# KiCad board SBC.kicad_pcb (continued)
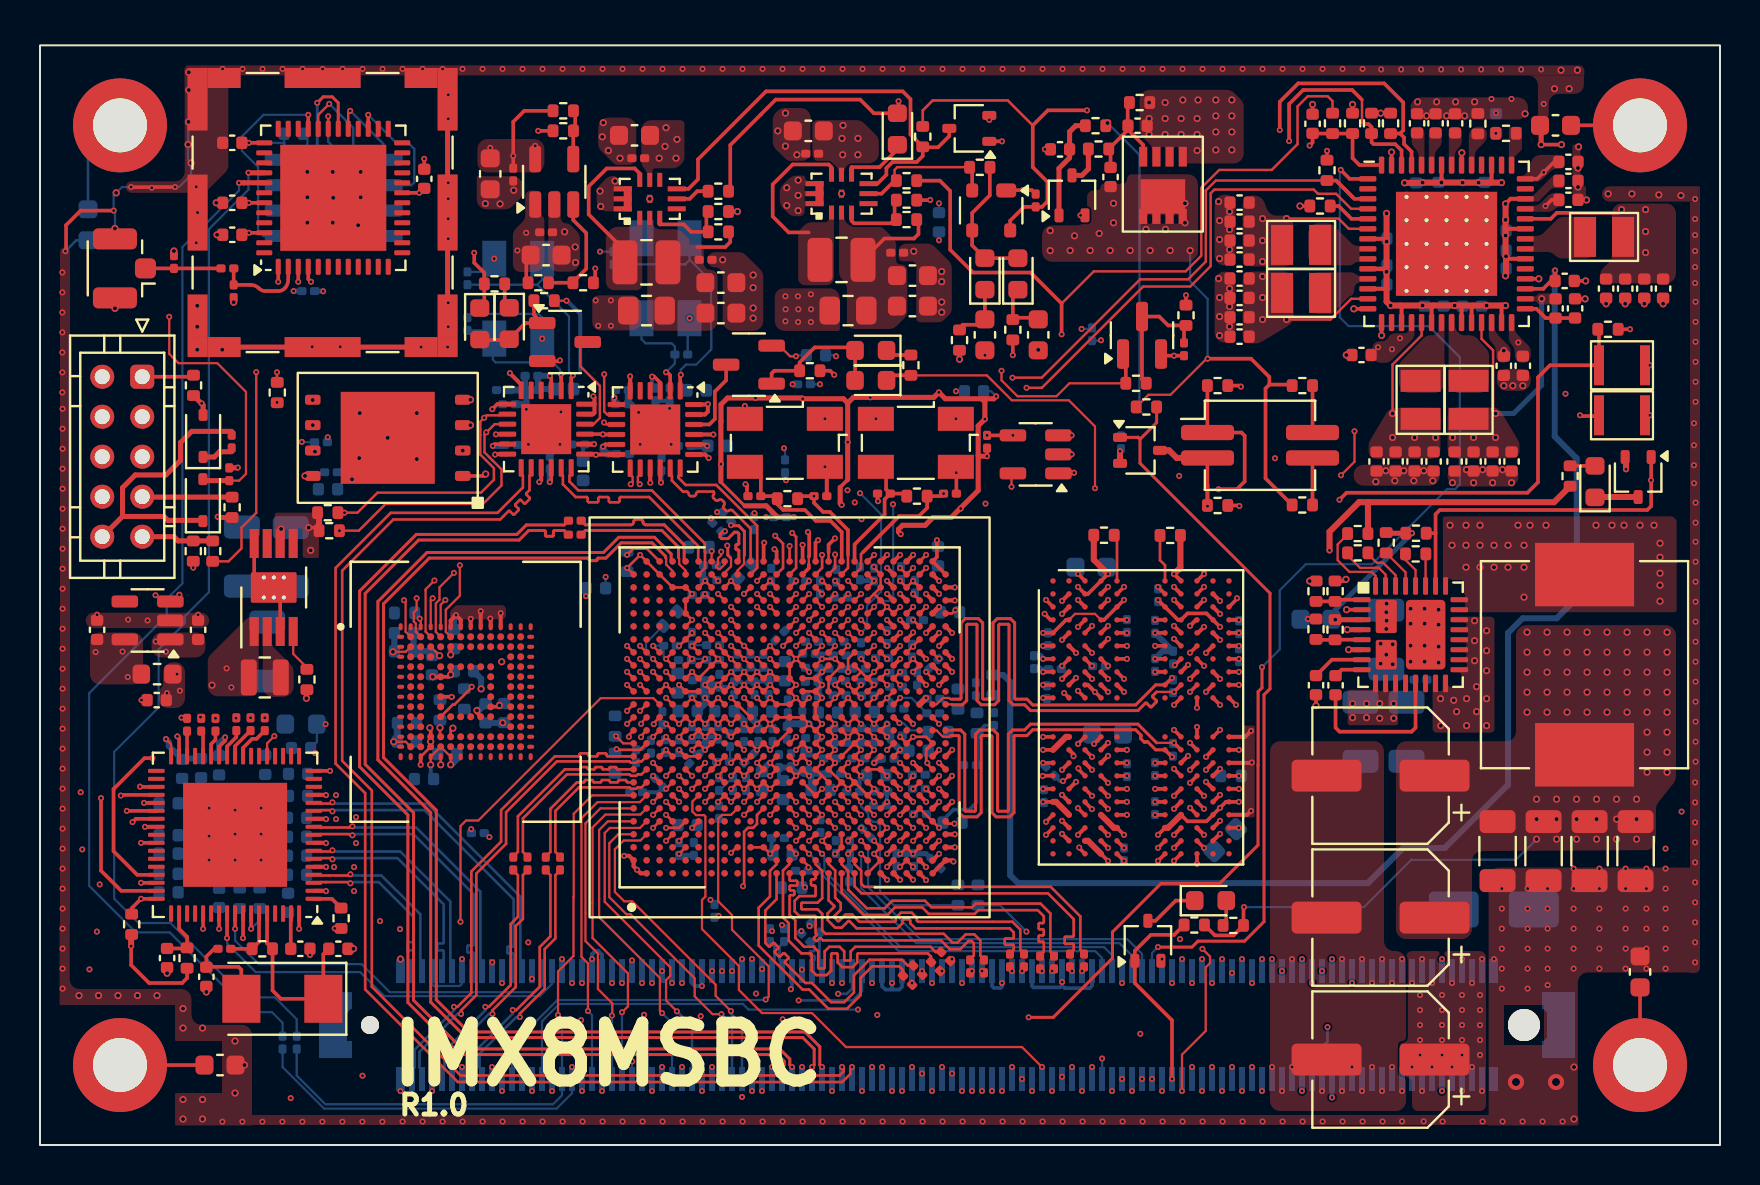
[diagram p0: board, top side]
## Routing (per net, layer and track width the routed paths; a pad name or vN(x,y) marks a point on that pad's centre or on a via; arc(x,y) is an arc through that point) (continued)
Net-(U7-FB): length 3.7
  T w0.18: U7.3 40.58,46.23 40.7,46.1 42.54,46.1 42.73,46.28 42.73,47.26
Net-(U7-OUT): length 4
  T w0.18: L9.2 42.22,45.34 43.7,45.34 43.92,45.56 43.92,46.28
Net-(U9A-MIPI_VDD1): length 1.4
  T w0.13: U9.F15 U9.E15 v1(31.95,23.01)
  B w0.11: v1(31.95,23.01) 31.95,22.69
Net-(U9B-ZQ_): length 1.9
  T w0.18: 42.69,21.39 v1(42.98,21.1)
  B w0.11: v1(42.98,21.1) 43.17,21.1 43.53,20.74 44.28,20.74
Net-(U9H-JTAG_MOD): length 17.1
  T w0.13: U9.U7 v1(40.4,17.16)
  IN2 w0.11: v1(40.4,17.16) 40.7,16.87 41.9,16.87 42,16.77 42,13.19 43.02,12.17 46.71,12.17 48.21,10.67 v1(49.32,10.67)
  B w0.11: R63.1 48,11.99 v1(49.32,10.67)
Net-(U9H-TEST_MODE): length 9.6
  T w0.13: U9.V7 v1(41.05,17.16)
  B w0.11: R62.1 42.7,11.99 42,12.69 42,15.99 41.83,16.16 41.64,16.16 41.41,16.39 41.41,16.58 41.05,16.93 v1(41.05,17.16)
Net-(U9J-HDMI_REXT): length 0.8
  T w0.13: v1(38.25,12.89) 38.24,12.89 38.13,13 U9.P1
Net-(U9K-PCIE1_RESREF): length 0.5
  T w0.11: v1(33.58,29.7) 33.58,29.59 33.58,29.59 U9.G25
Net-(U9K-PCIE2_RESREF): length 2
  T w0.13: U9.C25 30.34,29.83 29.66,29.83 v1(29.35,29.51)
Net-(U9L-MIPI_DSI_REXT): length 2.6
  T w0.13: U9.C17 v1(30.65,24.31)
  B w0.11: v1(30.65,24.31) 30.3,24.67 30.3,25.11 R40.1
Net-(U9M-USB1_RESREF): length 1
  T w0.11: U9.A11 29.16,20.09 v1(28.8,20.45)
Net-(U9M-USB2_RESREF): length 1.6
  T w0.13: U9.B11 30,19.76 28.87,19.76
  T w0.18: v1(28.83,19.8) 28.87,19.76
Net-(U11-VDD): length 6.6
  T w0.18: R61.2 55.1,38.31 U11.3 55.96,41.44 56.41,40.99 R60.2 ; C212.1 57.2,40.89
Net-(U12A-ODT_CA_A): length 0.5
  T w0.18: v1(51.1,23.96) U12.G2
Net-(U12A-ODT_CA_B): length 1
  T w0.11: U12.T2 51.2,18.21 51.2,18.2
  B w0.18: 51.2,18.2 51,18.2 R67.1
  vias: v1(51.15,18.2)
Net-(U12A-ZQ0): length 2.1
  T w0.13: U12.A5 53.85,30.36
Net-(U12A-ZQ1): length 2.4
  T w0.13: R69.1 56,29.25 56.25,29 U12.A8
Net-(U13-VDDI): length 1.9
  T w0.11: U13.C2 18.28,24.67 v2(17.65,24.67)
  B w0.3: C277.1 C279.1
Net-(U15-VDD1.8_1): length 8.6
  T w0.18: U15.20 33.29,35.04 v1(33.36,34.97)
  T w0.2: U15.11 28.27,35.04 v1(28.15,34.93)
  IN2 w0.35: v1(28.15,34.93) 28.91,34.93 29.21,34.63 33.02,34.63 v1(33.36,34.97)
  B w0.35: v1(28.15,34.93) 28.15,34.77 28.37,34.56 C294.1 ; v1(33.36,34.97) C295.1
Net-(U15-VDDA1.8): length 8.4
  T w0.18: U15.3 31.01,38.13 30.71,38.43 v1(30.6,38.43) ; v1(31.05,33.13) 31.01,33.17 U15.16
  IN4 w0.3: v1(30.6,38.43) 30.6,36.96 30.72,36.85
  IN4 w0.35: 30.72,36.85 31.05,36.52 v1(31.05,33.13)
  B w0.2: v1(30.6,38.43) 30.6,38.03 C297.1 ; C300.1 31.07,33.16 v1(31.05,33.13)
Net-(U16-VDD1.8_1): length 8.4
  T w0.18: v1(22.64,34.97) 22.73,35.06 U16.11 ; v1(27.7,35.06) U16.20
  IN2 w0.35: v1(27.7,35.06) 27.29,35.48 24.03,35.48 23.53,34.97 v1(22.64,34.97)
  B w0.2: v1(27.7,35.06) 27.68,35.04 C303.1 ; FB5.2 27.15,34.96
  B w0.3: v1(22.64,34.97) 23.19,34.97
Net-(U16-VDDA1.8): length 9.5
  T w0.18: v1(25.49,33.16) 25.56,33.23 U16.16 ; U16.3 25.56,38.4 v1(25.49,38.47)
  IN4 w0.3: v1(25.49,33.16) 25.49,38.47 v1(25.49,38.47)
  B w0.3: v1(25.49,38.47) C308.1 C309.1 ; v1(25.49,33.16) C306.1 ; FB6.2 24.94,37.81
Net-(U17-REF_FILT): length 1.8
  T w0.18: C310.2 12.54,11.56 U17.67
Net-(U17-REF_REXT): length 1.6
  T w0.18: U17.1 14.59,12.31 R96.1
Net-(U17-REFCLK_SEL_0): length 2
  T w0.18: U17.62 v1(10.55,10.81)
  B w0.11: R97.1 10.98,11.24 v1(10.55,10.81)
Net-(U17-REFCLK_SEL_1): length 2.5
  T w0.18: v1(10.15,10.35) 10.15,10.35 U17.61
  B w0.11: v1(10.15,10.35) 10.15,10.35 10.15,11.66
Net-(U17-RX_CLK): length 1.2
  T w0.18: U17.32 7.35,20.7
Net-(U17-RX_DV/RX_CTL): length 1.2
  T w0.18: U17.30 8.15,20.61
Net-(U17-RXD0): length 1.3
  T w0.18: R103.2 8.77,20.27 8.55,20.05 U17.29
Net-(U17-RXD1): length 1.5
  T w0.18: R104.2 9.82,20.4 9.35,19.94 U17.27
Net-(U17-RXD2): length 1.6
  T w0.18: R105.2 9.75,19.96 U17.26
Net-(U17-RXD3): length 1.9
  T w0.18: U17.25 10.15,19.86 10.61,20.32 10.83,20.32 R106.2

## Copper pours and planes (outline as drawn; the poured copper is in the pictures)
3.3V_SW on T: 73.9,47.19 74.92,47.19 75.59,47.86 76.22,47.86 76.22,48.53 75.7,48.53 74.63,47.47 73.9,47.47
3.3V_SW on T: 81.8,18.25 80.8,17 80.8,14.75 71.6,14.7 71.6,10.3 67.8,10.3 67.8,20.2 73.55,20.2 73.8,20.5 73.8,26 81.8,26
3.3V_SW on T: 60.19,52.14 60.19,49.1 56.94,49.1 56.94,49.93 56.68,49.93 56.68,49.1 56.28,49.1 56.28,49.93 56.02,49.93 56.02,49.1 55.62,49.1 55.62,49.93 54.98,50.57 54.98,52.78 59.55,52.78
3.3V_SW on B: 73.33,47.84 68.03,47.84 68.03,48.59 73.33,48.59
3.3V_SW on B: 73.68,43.34 72.98,43.34 72.98,47.42 73.68,47.42
3.3V_SW on B: 67.68,42.29 73.53,42.29 73.53,41.44 66.83,41.44 66.83,46.79 67.68,46.79
3.3V_SW on IN2: 74,26.5 74,14.5 81.5,14.5 81.5,26.5
3.3V_SW on IN3: 74.5,46.3 81.9,46.3 81.9,14.2 74,14.2 74,26.2 62.6,26.2 62.6,30.4 75.1,30.4 75.1,39.9 60.5,39.9 60.5,48.6 52.1,48.6 52.1,52.4 74.5,52.4
3.3V_SW on IN3: 48.99,35.45 42.9,29.36 42.9,24.6 41.4,24.6 41.4,26 41.9,26 41.9,31.54 46.95,36.59 48.99,36.59
3.3V_SW on IN4: 60.23,53 60.23,40.63 53,33.4 47.06,33.4 47.06,36.16 51.35,36.16 51.35,41.5 48.5,41.5 48.5,53
3.3V_SW_DELAYED on T: 32.23,51.14 32.23,49.23 31.85,48.85 30.7,48.85 30.61,48.76 30.61,48.28 30.36,48.28 30.36,48.68 30.07,48.98 30.07,51.26 32.1,51.26
3.3V_SW_DELAYED on T: 8.28,25.64 5.58,25.64 5.58,24.39 8.28,24.39
3.3V_SW_DELAYED on T: 25.22,43.67 25.22,46.36 25.06,46.53 25.06,47.74 24.41,47.74 24.26,47.59 24.26,46.31 23.65,45.69 23.65,43.88 23.86,43.67
3.3V_SW_DELAYED on T: 57.9,44.18 50.1,44.18 50.1,46 52.35,46 52.35,47.75 53.02,47.75 53.02,48.08 54.35,48.08 54.35,48.55 57.9,48.55 ; 3 cut-outs
3.3V_SW_DELAYED on T: 13.95,31.55 13.95,29.38 13.93,29.36 13.13,29.36 13.13,30.85 12.92,30.85 12.89,30.81 12.89,29.36 12.43,29.36 12.43,30.81 12.24,30.81 12.24,29.36 11.79,29.36 11.73,29.41 11.73,31.63 13.88,31.63
3.3V_SW_DELAYED on T: 41.95,50.37 41.95,49.1 40.2,49.1 40.2,48.18 39.93,48.18 39.93,49.1 38.62,49.1 38.62,51.13 38.75,51.26 41.06,51.26
3.3V_SW_DELAYED on B: 64.3,49.1 66.4,49.1 66.4,48.8 68.1,48.8 68.1,52 55.7,52 55.7,45.6 64.3,45.6
3.3V_SW_DELAYED on B: 14.4,32.4 14.4,33.9 13,33.9 13,32.9 13.5,32.4
3.3V_SW_DELAYED on B: 13.95,29.57 8.75,29.57 8.75,31.92 13.15,31.92 13.95,31.11
3.3V_SW_DELAYED on IN3: 49.8,53.4 49.8,47.7 57.8,47.7 57.8,43 47.7,43 47.7,45.8 23.1,45.8 23.1,25.1 28.9,19.4 34.8,19.4 34.8,17.2 42,17.2 42,14.4 37.9,14.4 37.9,13.3 15.7,13.3 15.7,21.3 12.4,21.3 12.4,24.5 9.64,24.5 9.64,24.49 7.7,22.5 4.7,22.49 4.7,9.7 2.2,9.7 2.2,53.4
3.3V_SW_DELAYED on IN4: 42.4,41.4 42.4,53.3 8,53.3 8,41.4
3.3V_SW_DELAYED on IN6: 35.9,25.3 37.2,25.3 37.2,21.5 37.5,21.2 37.5,16 33.7,16 33.7,17.8 36.8,17.8 36.8,20 35.9,21
/IO/VDD1A on T: 6.15,24.15 6.15,22.95 5.95,22.75 5.95,21.85 7.25,21.85 7.25,24.15
/IO/VDD1A on B: 13.05,14.15 13.85,14.15 14.3,13.7 14.5,13.7 14.5,14.2 13.93,14.77 13.05,14.77
/IO/VDD1A on B: 12,12 13.1,12 13.1,10.6 12,10.6
/IO/VDD1A on IN2: 5.7,24.2 5.7,9.3 15.4,9.3 15.4,17.8 14.8,18.4 14.8,24.2
/IO/VDDMDIO on B: 6.23,12.3 6.23,14 4.9,14 4.9,12.3
GND on T: 29.81,48.98 29.81,51.39 27.91,51.39 27.91,49.87 28.8,48.98
GND on T: 74.54,37.72 72.84,37.72 72.84,38.82 74.54,38.82
GND on T: 58.73,43.69 59.78,43.69 59.78,40.14 58.73,40.14
GND on T: 77.2,52.58 75.44,52.58 75.44,51.29 74.9,51.29 74.9,53.5 68.53,53.5 68.53,53.96 77.2,53.96
GND on T: 77.03,48.11 77.18,47.95 77.3,47.95 77.3,47.18 76.71,47.18 76.62,47.27 76.62,49.97 76.7,50.05 77.03,50.05
GND on T: 74.4,52.4 74.4,51.29 68.53,51.29 68.53,52.4
GND on T: 2.28,25.85 8.46,25.85 8.46,26.62 2.28,26.62
GND on T: 7.23,53.87 7.24,48.2 4.29,48.2 4.29,47.63 8.24,47.63 9.42,48.8 9.42,53.87
GND on T: 38.28,48.21 39.18,48.21 39.18,48.21 39.18,46.99 39.15,46.96 38.28,46.96 38.23,46.92 38.23,46.46 37.55,46.46 36.99,47.02 36.99,47.88 37.6,48.49 38.28,48.49
GND on T: 42.93,45.09 42.93,44.32 43.05,44.2 43.69,44.2 43.82,44.07 43.82,41.28 43.94,41.15 45.09,41.15 45.59,41.66 45.59,44.07 44.58,45.09
GND on T: 20.5,26.7 20.8,27 23.3,27 23.3,26.3 20.5,26.3
GND on T: 25.41,47.73 25.41,43.68 26.68,43.68 27,43.99 27,45.55 26.45,46.1 26.2,46.1 26.04,46.25 26.04,47.63 25.94,47.73
GND on T: 67.2,9.7 68.3,9.7 68.3,5.2 67.9,5.2 67.9,3.4 68.3,3.4 68.3,1.7 61.5,1.7 61.5,20.2 67.2,20.2
GND on T: 70.38,32.94 70.38,33.99 73.93,33.99 73.93,32.94
GND on T: 65.68,32.97 65.68,34.02 69.99,34.02 69.99,32.97
GND on T: 82.93,47.95 82.93,47.18 78.1,47.18 78.1,47.95
GND on T: 38.54,49.2 38.54,51.87 37.02,51.87 36.64,51.49 36.64,49.96 37.4,49.2
GND on T: 58.73,47.54 59.78,47.54 59.78,43.99 58.73,43.99
GND on T: 33.37,44.66 33.37,43.9 34.13,43.9 34.13,40.72 36.16,40.72 36.16,43.64 35.15,44.66
GND on T: 24.13,48.46 21.88,48.46 21.84,48.42 21.84,46.8 23.46,46.8 24.13,47.47
GND on T: 72.73,20.62 69.63,20.62 69.63,23.52 69.88,23.52 69.88,22.7 70.13,22.7 70.13,23.52 70.38,23.52 70.38,22.9 71.08,22.9 71.08,23.65 70.53,23.65 70.53,23.9 71.35,23.9 71.35,24.15 70.53,24.15 70.53,24.4 71.33,24.4 71.33,24.65 70.53,24.65 70.53,24.9 71.33,24.9 71.33,25.15 70.53,25.15 70.53,25.4 71.4,25.4 71.4,25.65 70.53,25.65 70.53,25.9 71.33,25.9 71.33,26.15 70.53,26.15 70.53,26.42 72.73,26.42
GND on T: 28.93,47.95 29.59,47.95 29.59,46.7 27.83,46.7 27.83,47.85 28.42,48.47 28.93,48.47
GND on T, B, IN1, IN2, IN3, IN4, IN5, IN6: 0.98,11.05 0.98,0.98 10.6,0.98 10.6,6.01 7.57,6.01 7.57,7.8 1.48,7.8 1.48,11.05
GND on T, B, IN1, IN2, IN3, IN4, IN5, IN6: 82.92,8.63 76.89,8.63 76.89,0.98 72.43,0.98 72.43,13.87 82.92,13.87
GND on T, B, IN1, IN2, IN3, IN4, IN5, IN6: 1,7.6 1,44.9 1.5,44.9 1.5,7.6
GND on T, B, IN1, IN2, IN3, IN4, IN5, IN6: 7.2,54 77.22,54 77.22,53.5 7.2,53.5
GND on T, B, IN1, IN2, IN3, IN4, IN5, IN6: 83,8.6 83,47.95 82.5,47.95 82.5,8.6
GND on T, B, IN1, IN2, IN3, IN4, IN5, IN6: 8.6,1 8.6,1.5 76.92,1.5 76.92,1
GND on B: 73.21,12.95 81.82,12.95 81.82,8.58 81.34,8.1 76.9,8.1 75.63,9.37 74.08,9.37 73.21,10.23
GND on B: 72.45,9.96 72.45,7.76 74.45,7.76 74.45,10.71 74.4,10.76 73.25,10.76
GND on B: 6.65,18.75 6.65,12.35 7.95,12.35 8.15,12.55 12.55,12.55 12.65,12.65 12.65,20.08 12.57,20.16 12.16,20.16 11.85,19.85 11.85,19.1 11.51,18.75
GND on B: 47.37,30.96 47.37,11.75 28.31,11.75 26.54,13.52 26.54,28.65 28.85,30.96
GND on B: 72.64,23.11 72.64,19.3 71.78,18.44 64.6,18.44 64.6,19.96 69.09,19.96 69.6,20.47 69.6,22.65 69.13,23.11 69.13,23.43 72.32,23.43
GND on B: 13.75,28.9 13.75,25.22 8.95,25.22 8.95,28.9
GND on B: 17.28,21.79 18.35,21.79 18.35,19.36 17.28,19.36
GND on B: 14.6,32.5 14.6,34.2 15,34.6 16,34.6 16,32.5
GND on B: 68.22,27.53 66.14,27.53 66.14,25.55 66.24,25.45 67.92,25.45 68.22,25.76
GND on B: 72.45,3.9 72.45,1.61 75.15,1.61 76.45,2.91 76.45,3.91 72.46,3.91
GND on IN1, IN5: 84,0 0,0 0,55 84,55
GND on IN2: 9,53 9,42 21,42 21,45 28.5,45 28.5,43.5 34,43.5 34,41.5 53.5,41.5 53.5,38.5 80.5,38.5 80.5,43.5 74.5,43.5 74.5,53
GND on IN4: 1.86,40.98 1.86,29.53 2.71,28.68 7.26,28.68 9.76,31.18 17.71,31.18 20.91,34.38 20.91,40.98
GND on IN4: 63.31,52.05 63.31,41.25 61.79,39.73 61.79,12.3 81.81,12.3 81.81,49.8 79.56,52.05
GND on IN6: 19.85,52.9 9,52.9 8.3,52.2 8.3,43.45 6.15,41.3 1.8,41.3 1.8,26 24.2,26 24.2,43.45 21.2,46.45 21.2,51.55
GND on IN6: 25.2,18.1 25.2,10.5 68.29,10.5 68.29,1.8 11.8,1.8 11.8,6.2 8.9,6.2 8.9,8 1.8,8 1.8,18.1
VBAT on T: 76.24,48.82 75.64,48.82 74.99,48.17 73.84,48.17 73.84,48.47 74.27,48.47 74.69,49.52 76.24,49.52
VDD_1V on T: 2.5,25.64 2.5,23.04 5.15,23.04 5.15,25.64
VDD_1V on B: 13.1,18.87 14.7,18.87 14.7,18.2 13.1,18.2
VDD_1V on IN6: 7.9,25.9 7.9,19.6 15.1,19.6 15.1,18.1 1.8,18.1 1.8,25.9
VDD_1V8 on T: 67.48,36.87 66.43,35.12 66.43,34.32 70.03,34.32 70.03,36.87
VDD_1V8 on B: 70.16,33.02 66.91,29.77 63.01,29.77 61.01,27.77 61,13.92 49.03,13.92 49.03,30.95 48.2,31.79 26.75,31.79 26.1,31.14 26.1,17.55 17.6,17.55 16.03,19.11 16.03,34.77 20.15,38.9 70.16,38.9
VDD_ARM_0V9 on T: 30.07,42.5 30.07,40.74 27.85,40.74 27.61,40.98 27.61,42.32 27.79,42.5
VDD_ARM_0V9 on IN3: 33.5,27.5 37,23.8 37,22.7 34.1,22.7 34.1,21.9 29.7,21.9 25,26.7 25,43 33.5,43
VDD_DRAM_0V9 on T: 78.6,44.3 78,43.7 78,43.1 81.8,43.1 81.8,47.1 78.6,47.1
VDD_DRAM_0V9 on B: 41.15,23.31 40.35,23.31 40.35,22.51 39.95,22.11 39.95,21.11 40.15,20.91 40.15,19.91 40.55,19.91 40.95,19.51 40.95,18.31 41.55,18.31 41.55,18.71 41.96,19.12 42.3,19.12 42.3,19.52 41.56,19.52 41.55,19.51 41.35,19.71 41.35,21.01 41.04,21.32 41.04,22.03 41.13,22.11 41.15,22.11
VDD_DRAM_0V9 on IN6: 81.8,31.49 62.91,31.5 62.91,10.5 42.1,10.5 42.1,17 40.1,17 40.1,25.3 39,25.3 39,29 47.6,37.7 73.7,37.7 76.56,40.5 76.56,47.67 81.76,47.67 ; 1 cut-out
VDD_GPU_0V9 on T: 62.68,43.94 60.13,43.94 60.13,47.49 61.08,47.49 61.48,46.49 62.68,46.49
VDD_GPU_0V9 on IN6: 63.6,43.9 48.1,43.9 36.5,32.7 36.5,25.3 35.9,25.3 35.9,20.95 36.8,20 36.8,17.8 34.1,17.8 34.1,39.7 42.6,48.3 63.6,48.3
VDD_PHY_0V9 on T: 68.73,40.39 67.45,39.12 66.62,39.12 66.62,40.2 67.32,40.2 67.52,40.6 68.33,40.6 68.43,40.72 68.43,41.57 68.73,41.57
VDD_PHY_0V9 on IN6: 63.6,38.6 63.6,48.3 42.6,48.3 34.1,39.7 34.1,17.9 33.7,17.9 33.7,16 40.8,16 40.8,14 29,14 29,47.5 33.5,52 67.14,52 69.7,49.7 69.7,38.6
VDD_PHY_1V8 on T: 72.74,40.67 73.54,39.87 73.54,39.12 72.79,39.12 72.79,39.92 72.44,40.27 72.44,41.57 72.74,41.57
VDD_PHY_1V8 on IN3: 72.7,38.4 72.7,40 73.6,40 73.6,39.5 75.1,39.5 75.1,30.4 62.6,30.4 62.6,10.5 58,10.5 58,7.2 55.1,7.2 55.1,10.5 39.9,10.5 39.9,13.2 37.9,13.2 37.9,14.4 42,14.4 42,13.5 61,13.5 61,32.1 74.7,32.1 74.7,38.4
VDD_PHY_1V8 on IN6: 32.01,22.86 28.8,22.86 28.8,17.18 31.38,14.61 39.1,14.6 39.1,12.7 26.9,12.7 26.9,25.4 32.01,25.4
VDD_PHY_3V3 on T: 76.24,46.92 75.84,46.92 75.59,46.67 73.84,46.67 73.84,46.97 74.89,46.97 75.54,47.62 76.24,47.62
VDD_PHY_3V3 on IN3: 34.1,19.4 27.89,19.4 21.5,25.68 21.5,46.2 47.7,46.2 47.7,43 57.8,43 57.8,47.7 49.8,47.7 49.8,53.4 77,53.4 77,46.3 74.5,46.3 74.5,52.4 52.1,52.4 52.1,48.6 60.5,48.6 60.5,39.9 39.3,39.9 39.3,43 34.9,43 34.9,27.5 33.5,27.5 33.5,43 25,43 25,26.7 29.7,21.9 34.1,21.9
VDD_SNVS_0V9 on T: 25.22,48.64 21.87,48.64 21.87,50.31 24.92,50.31 25.22,50.02
VDD_SNVS_0V9 on IN6: 75.95,51.32 75.95,48.1 69.69,48.1 69.69,50.21 67.56,52.33 33.15,52.33 29.29,48.47 22.2,48.47 21.78,48.89 21.78,51.82 23.31,53.35 73.91,53.35
VDD_SNVS_0V9 on IN6: 38.7,24.64 38.7,29 48.1,38.4 69.7,38.4 69.7,38.4 69.7,48.5 75.9,48.5 75.9,39.9 72.9,36.9 47.9,36.9 39.5,28.5 39.5,24.64
VDD_SOC_0V9 on T: 39.99,42.85 39.99,40.77 39.94,40.72 36.74,40.72 36.74,42.6 36.99,42.85
VDD_SOC_0V9 on IN3: 39.3,18.7 38.5,18.7 38.5,20.8 35,20.8 35,21.7 35.7,21.7 35.7,22.7 37,22.7 37,23.8 34.9,26.02 34.9,43 39.3,43
VDD_VPU_0V9 on T: 62.68,41.14 60.93,40.09 60.13,40.09 60.13,43.69 62.68,43.69
VDD_VPU_0V9 on IN6: 63.6,43.9 63.6,37.7 47.6,37.7 39,29 39,17.8 36.5,17.8 36.5,32.7 48.1,43.9
VDDA_1V8 on T: 73.74,40.67 74.54,39.87 74.54,39.12 73.74,39.12 73.74,39.87 73.44,40.17 73.44,41.57 73.74,41.57
VDDA_1V8 on IN3: 74.7,38.4 50,38.4 42,30.36 42,20 42.6,20 42.6,19.5 42,19.5 42,17.2 34.8,17.2 34.8,19.4 34.1,19.4 34.1,22.7 35.7,22.7 35.7,21.7 35,21.7 35,20.8 38.5,20.8 38.5,18.6 39.3,18.6 39.3,24 38.8,24 38.8,24.6 39.3,24.6 39.3,39.9 69.6,39.9 70.61,40.9 74.7,40.9
VIN on T: 68.6,1.7 68.6,3.4 67.9,3.4 67.9,5.2 68.3,5.2 68.3,9.7 72.3,9.7 72.3,1.7
VIN on T: 66.91,22.7 67.16,22.7 67.16,22.92 67.41,22.92 67.41,22.7 67.66,22.7 67.66,22.92 67.9,22.92 67.9,21 65.38,21 65.38,22.77 66.66,22.77 66.66,22.92 66.91,22.92
VIN on B: 68.5,12.7 68.5,2.2 72.3,2.2 72.3,12.7
VIN on B: 69.24,21.18 64.87,21.18 64.87,25.15 64.92,25.2 67.72,25.2 68.21,24.7 68.21,23.79 68.57,23.43 68.93,23.43 68.93,23.02 69.24,22.71
VIN on IN3: 72.3,1.7 72.3,14.2 74,14.2 74,26.2 62.6,26.2 62.6,1.7
/IO/ENET_2.5V_A on B: 14.5,16 13.05,16 13.05,16.7 14.5,16.7
/IO/ENET_2.5V_A on B: 13.15,19.25 13.15,21.7 13.2,21.75 15.3,21.75 15.3,20.05 14.5,19.25
/IO/ENET_2.5V_A on B: 13.05,13.82 14,13.82 14.6,13.22 14.6,12.5 13.76,12.5 13.05,13.2
/IO/ENET_2.5V_A on IN3: 12.4,21.3 15.7,21.3 15.7,11.4 12.4,11.4
DRAMREF on B: 48.04,21.9 48.02,21.9 48.02,21.29 44.16,21.29 43.5,21.95 42.94,21.95 42.63,22.26 42.63,22.51 42.78,22.66 42.9,22.66 43.29,22.66 44,22.66 44.56,22.1 46.49,22.1 46.49,22.74 48.04,22.74
NVCC_DRAM_1V1 on T: 76.09,42.6 74.94,42.6 74.78,42.45 73.93,42.45 73.93,42.2 74.78,42.2 74.94,42.04 76.09,42.04
NVCC_DRAM_1V1 on T: 72.93,36.89 73.98,35.14 73.98,34.34 70.38,34.34 70.38,36.89
NVCC_DRAM_1V1 on T: 60.15,16.39 60.15,20.98 60.77,20.98 60.77,16.39
NVCC_DRAM_1V1 on B: 42.8,28.05 44.5,28.05 45.2,28.75 45.2,29.1 45.19,29.11 44.59,29.11 44.59,28.75 44.34,28.5 42.8,28.5
NVCC_DRAM_1V1 on IN3: 74.7,32.1 61,32.1 61,13.5 42,13.5 42,30.36 50,38.4 74.7,38.4
NVCC_ENET_2V5 on T: 10.94,26.41 10.94,22.44 8.39,22.44 8.39,24.39 10.41,26.41
NVCC_ENET_2V5 on B: 6.3,14.2 6.3,16 5,16 5,14.2
NVCC_ENET_2V5 on B: 8.57,18.99 11.44,18.99 11.67,19.22 11.67,19.96 11.64,19.98 10.07,19.98 9.43,20.62 8.88,20.62 8.57,20.31
NVCC_ENET_2V5 on B: 8.4,24.17 8.4,19.01 11.41,19.01 11.67,19.27 11.67,20.13 12.11,20.58 12.7,20.58 12.76,20.63 12.76,23.41 12,24.17
NVCC_ENET_2V5 on B: 9.3,10.7 9.3,12.3 8.6,12.3 8.6,10.7
NVCC_ENET_2V5 on IN3: 12.4,10.2 12.4,24.5 9.64,24.5 7.7,22.5 4.6,22.5 4.6,10.2
NVCC_ENET_2V5 on IN6: 39,25.3 40.1,25.3 40.1,17 42.1,17 42.1,10.5 25.2,10.5 25.2,18.1 7.9,18.1 7.9,25.9 26.9,25.9 26.9,12.7 26.9,12.7 39.1,12.7 39.1,14 40.7,14 40.7,16 37.5,16 37.5,17.8 39,17.8
NVCC_SD1_1V8 on B: 18.58,21.1 19.78,21.1 19.78,20.43 19.88,20.43 19.88,20.2 20.3,20.2 20.3,18.75 19.83,18.75 19.83,19.38 19.25,19.38 19.25,18.83 19.15,18.83 19.15,17.98 18.58,17.98
Net-(L6-Pad1) on T: 81.83,31.25 81.83,26.65 71.11,26.65 71.11,26.9 71.26,26.9 71.26,27.16 71.11,27.16 71.11,27.4 71.26,27.4 71.26,27.55 71.18,27.55 71.18,28.27 70.55,28.27 70.55,28.33 70.4,28.33 70.4,28.19 70.14,28.19 70.14,31.45 81.63,31.45
Net-(L6-Pad1) on B: 68.43,23.95 70.33,23.95 70.33,26.65 70.53,26.85 73.93,26.85 75.3,28.21 75.3,31 69.33,31 68.43,30.1
Net-(L6-Pad1) on IN2, IN6: 73.54,23.75 73.54,26.67 81.51,26.67 81.51,31.41 67.92,31.41 67.92,23.75
Net-(L8-Pad1) on T: 30.11,46.73 30.11,42.92 29.94,42.75 28.54,42.75 28.29,43.01 28.29,45.55 28.67,45.93 29.81,45.93 29.86,45.98 29.86,46.73
Net-(L9-Pad1) on T: 39.7,46.98 39.7,43.22 39.48,43 38.11,43 37.91,43.21 37.91,45.69 38.36,46.15 39.33,46.15 39.45,46.27 39.45,46.98
Net-(U1A-SW1ALX) on T: 65.7,44.97 66.83,44.97 66.83,44.7 65.97,44.7 65.97,44.46 66.83,44.46 66.83,44.17 65.78,44.17 65.6,43.99 63.4,43.99 63.4,46.09 64.58,46.09
Net-(U1A-SW1CLX) on T: 65.88,43.47 66.83,43.47 66.83,43.17 65.95,43.17 65.72,43 65.72,42.6 64.65,41.57 63.43,41.57 63.43,43.64 65.7,43.64
Net-(U1A-SW2LX) on T: 70.75,40.5 71.72,40.5 72.45,39.67 72.45,37.62 70.43,37.62 70.43,41.59 70.75,41.59
Net-(U1A-SW3ALX) on T: 77.8,44.34 75.9,44.34 75.58,44.67 73.83,44.67 73.83,45.47 75.03,45.47 75.98,46.42 77.8,46.42 ; 1 cut-out
Net-(U1A-SW4LX) on T: 70.23,37.62 67.95,37.62 67.95,39.1 69.32,40.5 69.93,40.5 69.93,41.57 70.23,41.57
Net-(U1B-VSNVS) on T: 73.44,48.59 73.44,50.93 74.1,50.93 74.1,49.8 73.72,49.43 73.72,48.59
Net-(U1C-VCORE) on T: 71.09,50.02 70.74,49.67 70.74,48.57 70.44,48.57 70.44,50.92 71.09,50.92
Net-(U1C-VCOREDIG) on T: 70.09,50.02 69.74,49.67 69.74,48.57 69.44,48.57 69.44,50.92 70.09,50.92
Net-(U1C-VCOREREF) on T: 68.58,50.02 68.93,49.67 68.93,48.57 69.23,48.57 69.23,50.92 68.58,50.92
Net-(U1C-VDDOTP) on T: 72.34,50.28 71.74,49.67 71.74,48.57 71.44,48.57 71.44,50.92 72.34,50.92
Net-(U5-OUT) on T: 30.36,46.73 30.36,42.97 30.58,42.75 32.35,42.75 32.48,42.88 32.48,45.29 31.97,45.8 30.84,45.8 30.61,46.03 30.61,46.73
Net-(U5-OUT) on T: 30.36,40.72 33.88,40.72 33.88,43.77 33.19,43.77 33.19,44.99 33.14,45.04 30.7,45.04 30.36,44.7
Net-(U6-SW) on T: 11.14,26.41 11.14,22.42 12.69,22.42 12.69,23.89 11.59,24.99 11.59,26.41
Net-(U7-OUT) on T: 40.35,41.02 40.35,43.05 39.95,43.45 39.95,46.98 40.2,46.98 40.2,46.24 40.5,45.95 42.07,45.95 42.81,45.21 42.81,44.04 43.19,44.04 43.37,43.87 43.37,41.5 42.68,40.82 40.55,40.82
Net-(U15-VDDA1.8) on B: 32.65,37.25 31.99,37.25 31.63,37.61 30.57,37.61 30.57,38.17 32.7,38.17 32.75,38.12 32.75,37.35

Small or netless copper shapes (teardrops, artwork), in the pictures only: 3 on B

## Text on the board
B: Layer8
User.Comments: F.Silkscreen | F.Paste | F.Mask | TOP | Dielectric | GND1 | S1 | PW1 | S2 | GND2 | PW2 | BOT | B.Mask | B.Paste | B.Silkscreen | Top Silk Screen | Top Solder Paste | Top Solder Mask | copper | prepreg | core | Bottom Solder Mask | Bottom Solder Paste | Bottom Silk Screen | Not specified | FR4 | 0 mm | 0.01 mm | 0.035 mm | 0.18 mm | 0.23 mm | FR4 natural | 1 | 3.3 | 4.5 | 0 | 0.02 | Copper Layer Count: | Board overall dimensions: | Min track/spacing: | Copper Finish: | Castellated pads: | Edge card connectors: | 8 | 84.0000 mm x 55.0000 mm | 0.0765 mm / 0.0765 mm | None | No | Board Thickness: | Min hole diameter: | Impedance Control: | Plated Board Edge: | 1.7100 mm | 0.0765 mm | Layer Name | Type | Material | Thickness (mm) | Color | Epsilon R | Loss Tangent | BOARD CHARACTERISTICS
T: Layer1
F.Silkscreen: R1.0 | IMX8MSBC
IN1: Layer2
IN2: Layer3
IN3: Layer4
IN4: Layer5
IN5: Layer6
IN6: Layer7
SI Remarks: F.Silkscreen | F.Paste | F.Mask | C1 | Dielectric 1 | In1.Cu | Dielectric 2 | In2.Cu | Dielectric 3 | In3.Cu | Dielectric 4 | In4.Cu | Dielectric 5 | In5.Cu | Dielectric 6 | In6.Cu | Dielectric 7 | B.Cu | B.Mask | B.Paste | B.Silkscreen | Top Silk Screen | Top Solder Paste | Top Solder Mask | copper | prepreg | core | Bottom Solder Mask | Bottom Solder Paste | Bottom Silk Screen | Not specified | 3313 RC57% 4.2mil | 0.13mm H/HOZ without copper | 2116 RC54% 4.9mil | 0 mm | 0.01 mm | 0.035 mm | 0.0994 mm | 0.0152 mm | 0.13 mm | 0.1088 mm | FR4 natural | 1 | 3.3 | 4.1 | 4.6 | 0 | Layer Name | Type | Material | Thickness (mm) | Color | Epsilon R | Loss Tangent | JLC08101H-3331 STACKUP
